# Altium PCB ToF Sensor.PcbDoc
Units mm, origin at the board's own origin, x right, y up, seen from the top; angles counter-clockwise.
Board outline 30 x 50.01 mm, 4 copper layers (Top Layer, Int1 (GND), Int2 (PWR), Bottom Layer), stack 1.369 mm thick; 48 components, 38 nets, 218 pads, 90 vias.
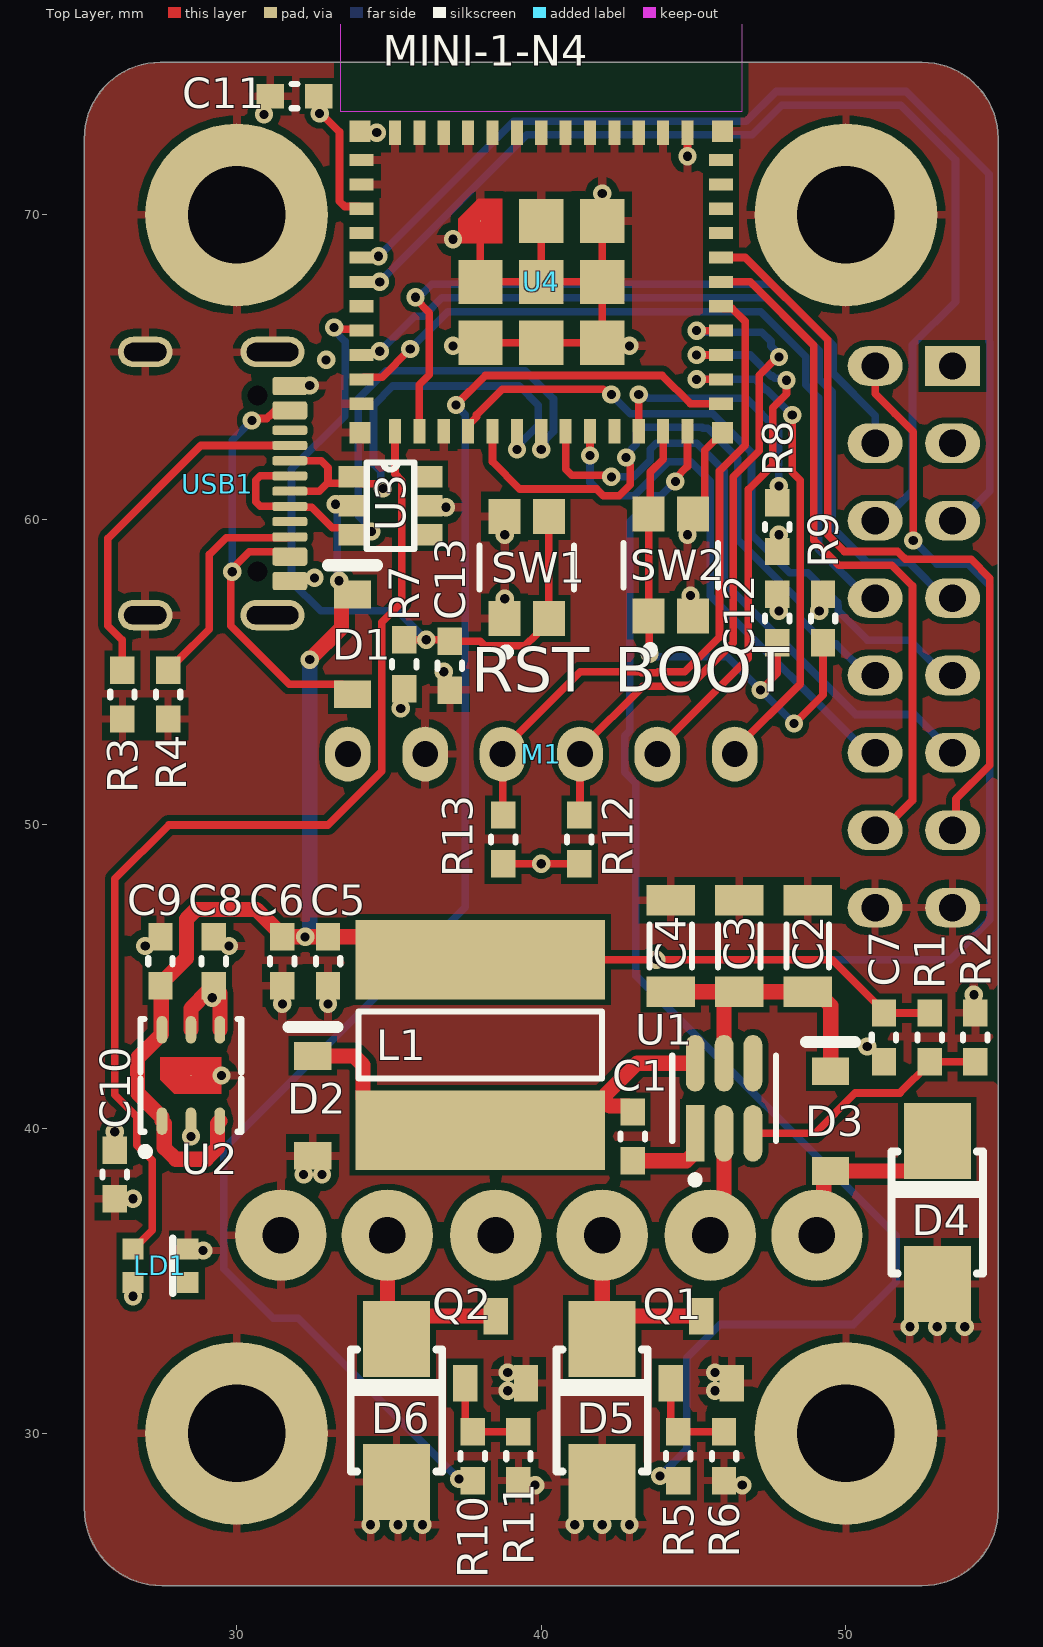
[diagram p0: Top Layer view]
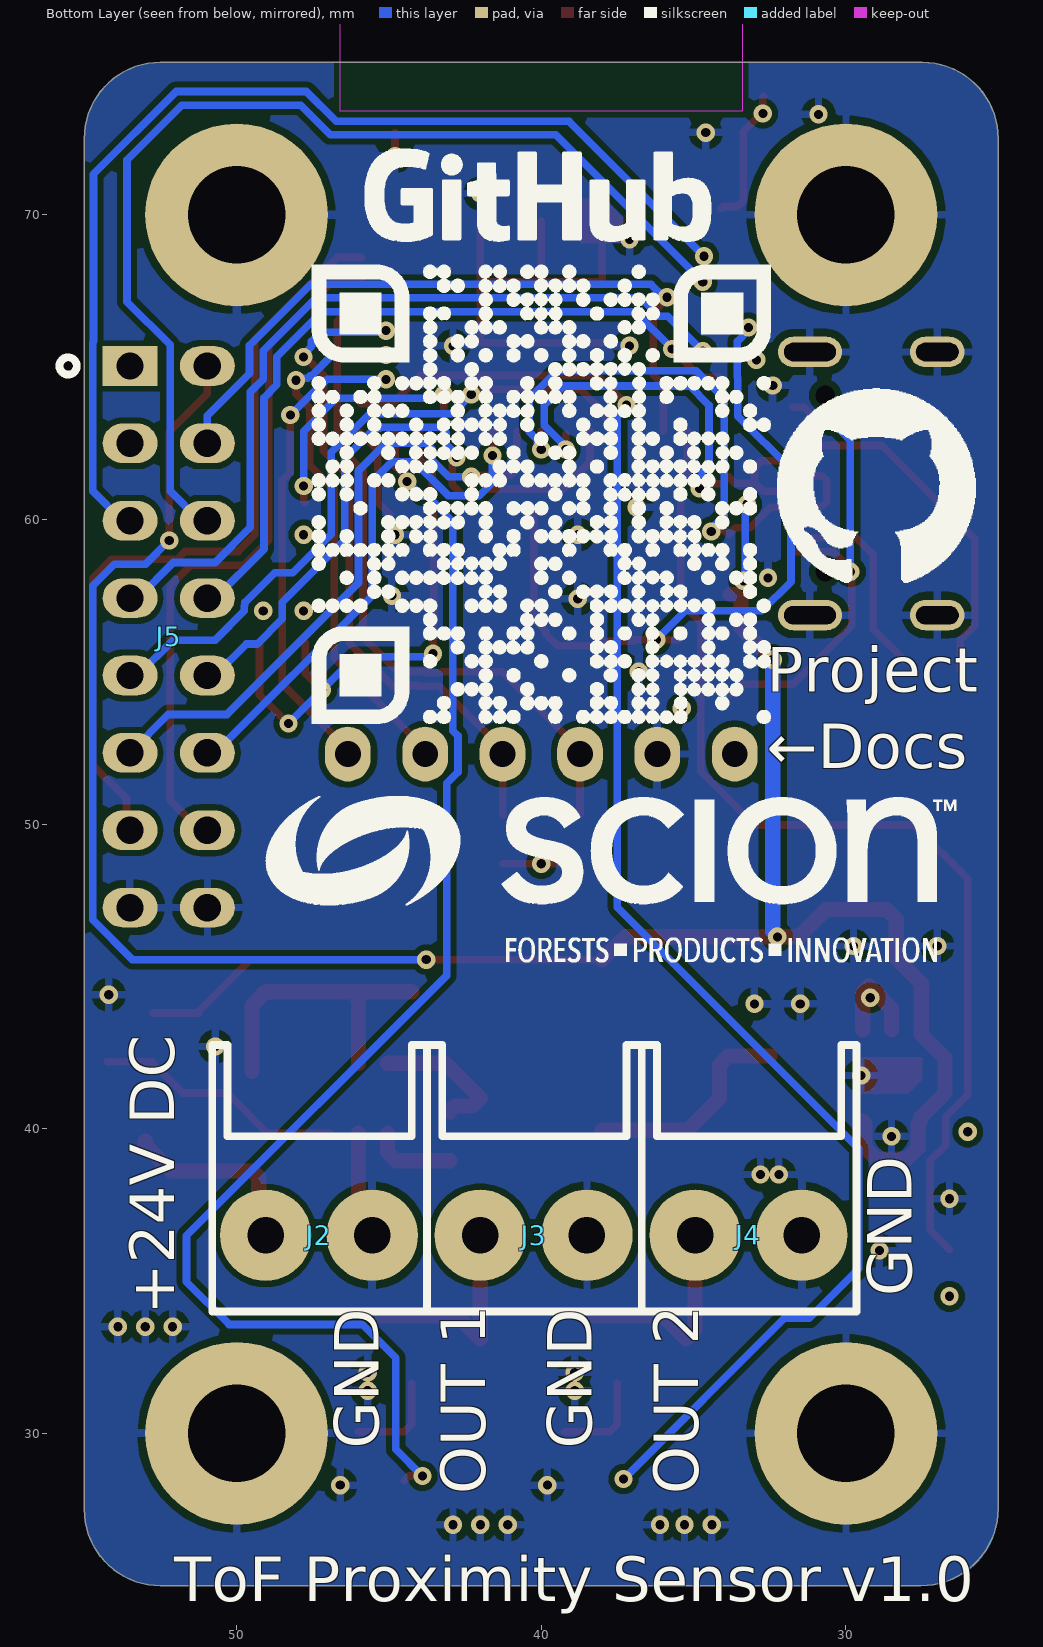
[diagram p1: Bottom Layer view, seen from below]
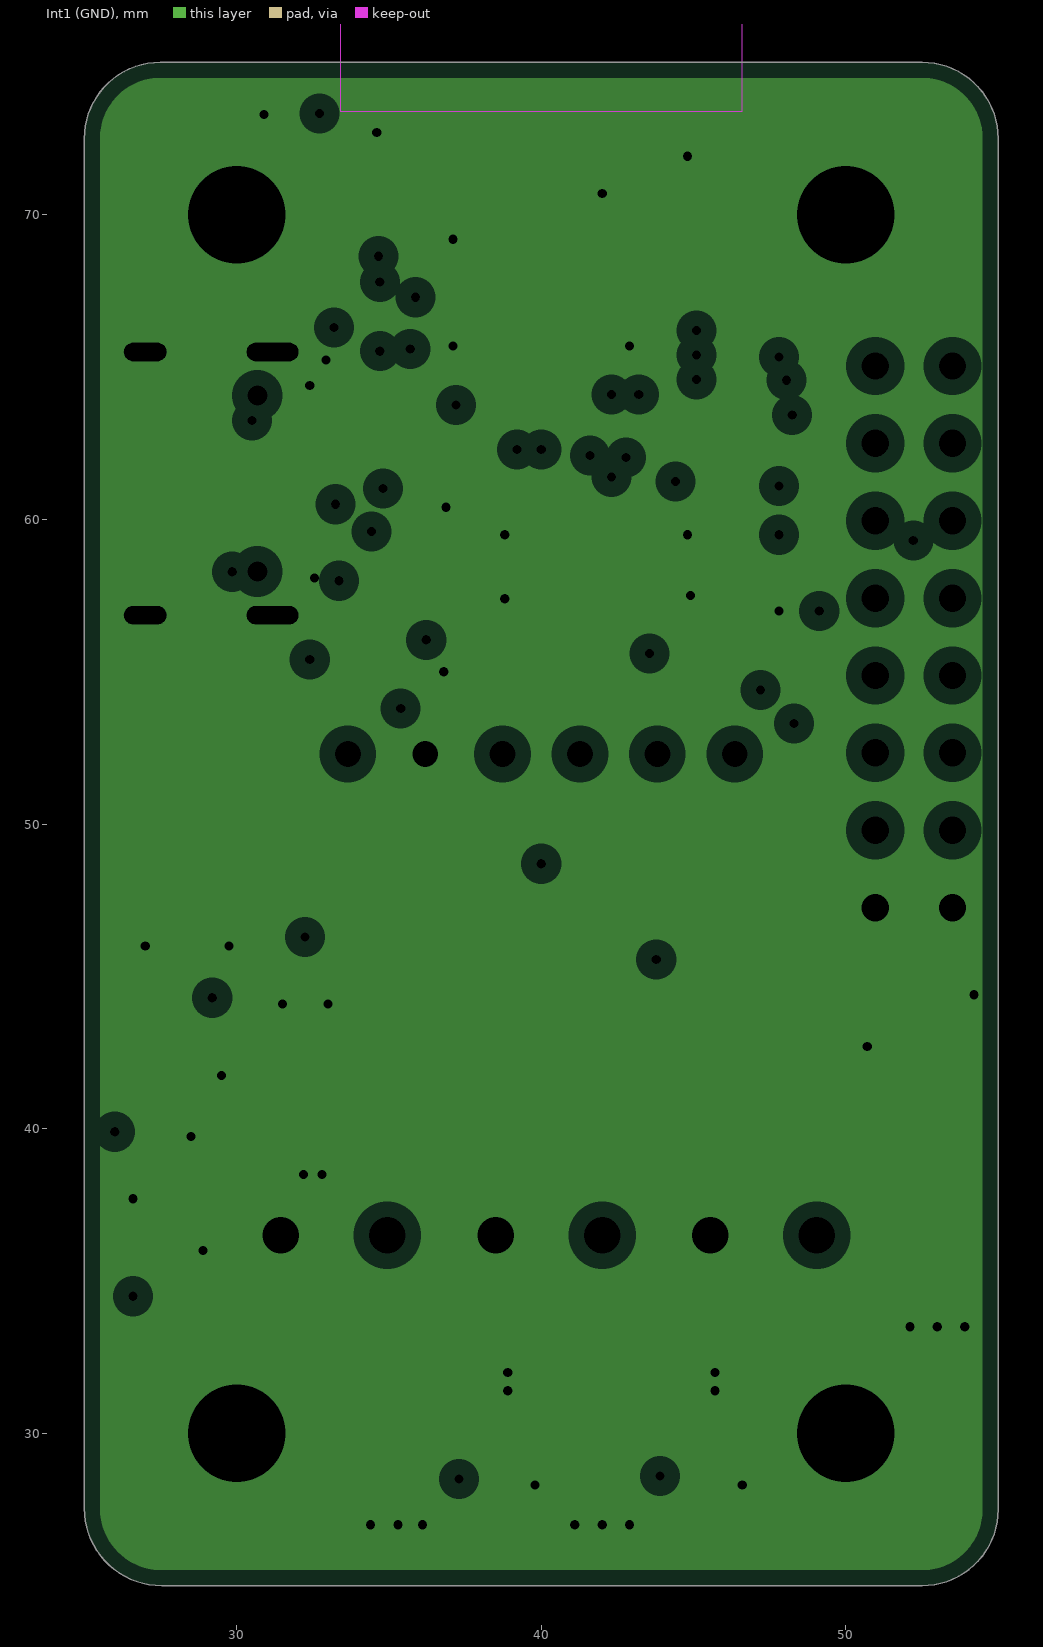
[diagram p2: Int1 (GND), clearances drawn from the general rule]
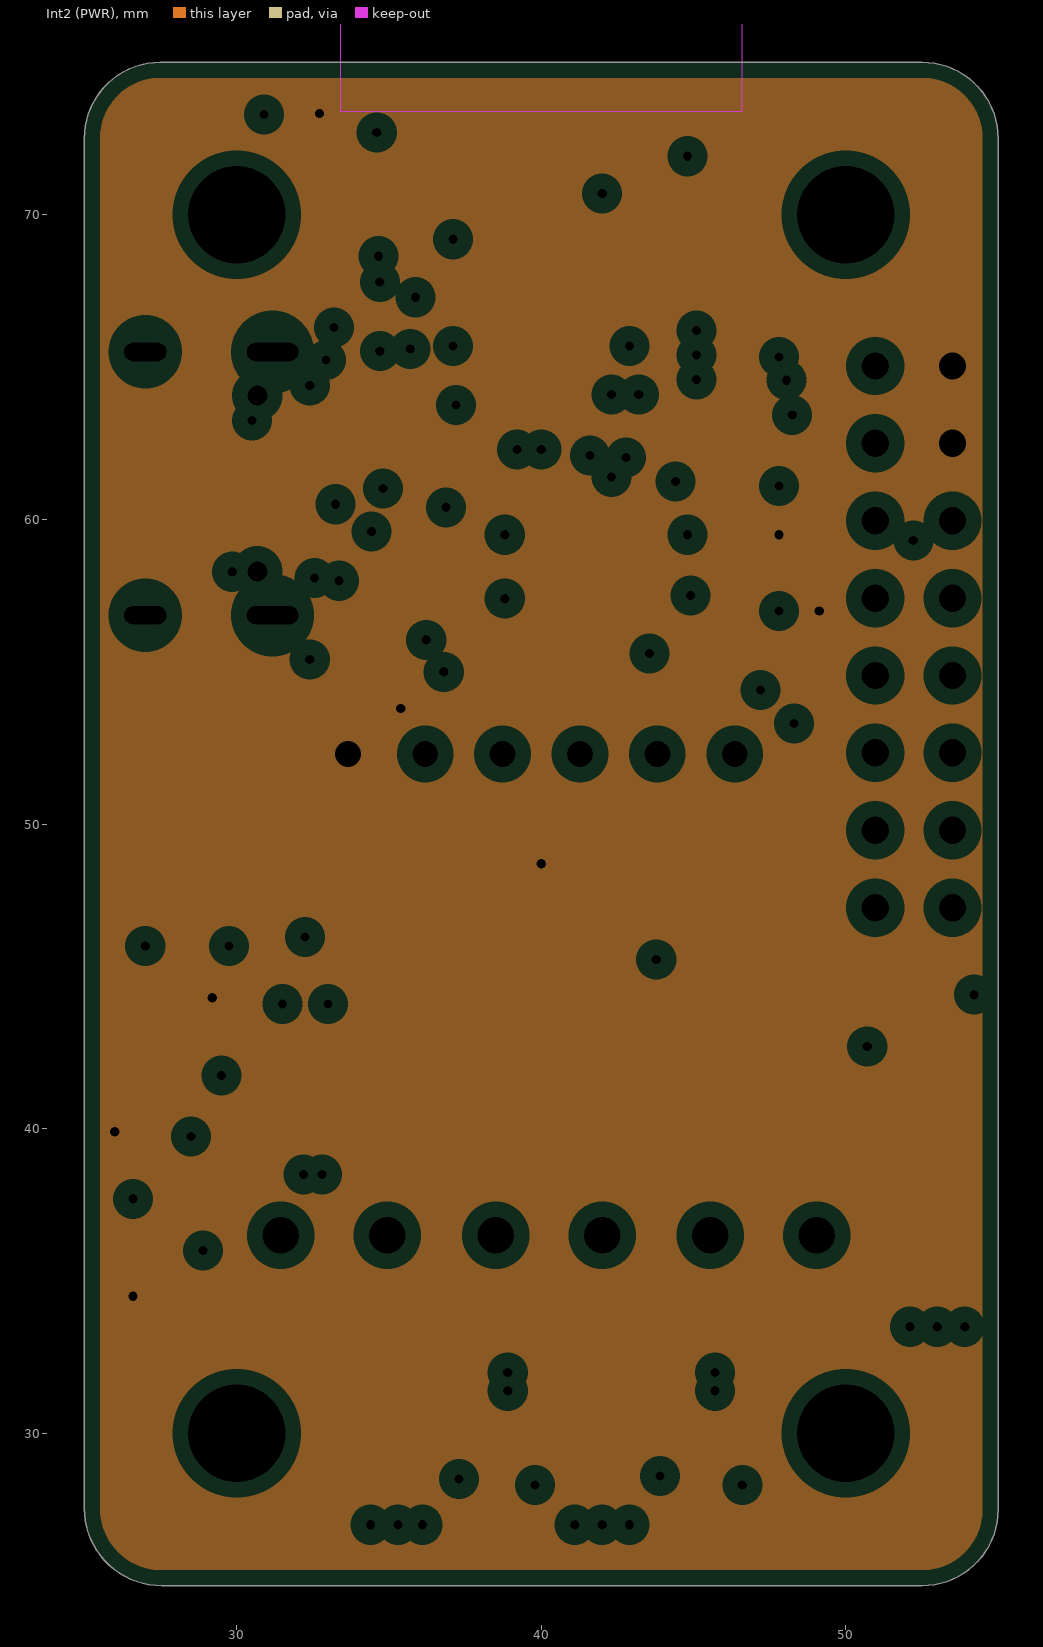
[diagram p3: Int2 (PWR), clearances drawn from the general rule]
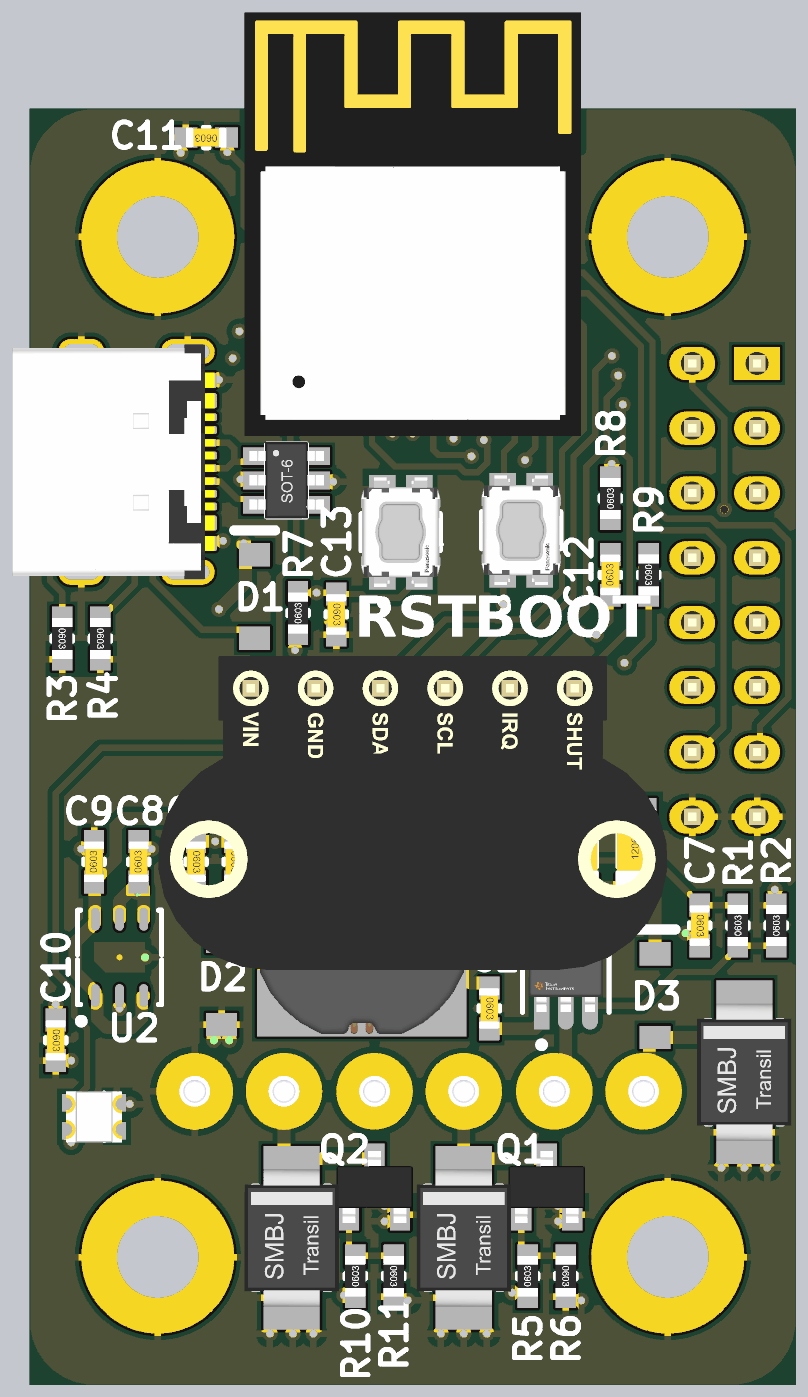
[diagram p4: 3D render of the assembled board from above, using the file's embedded part models]
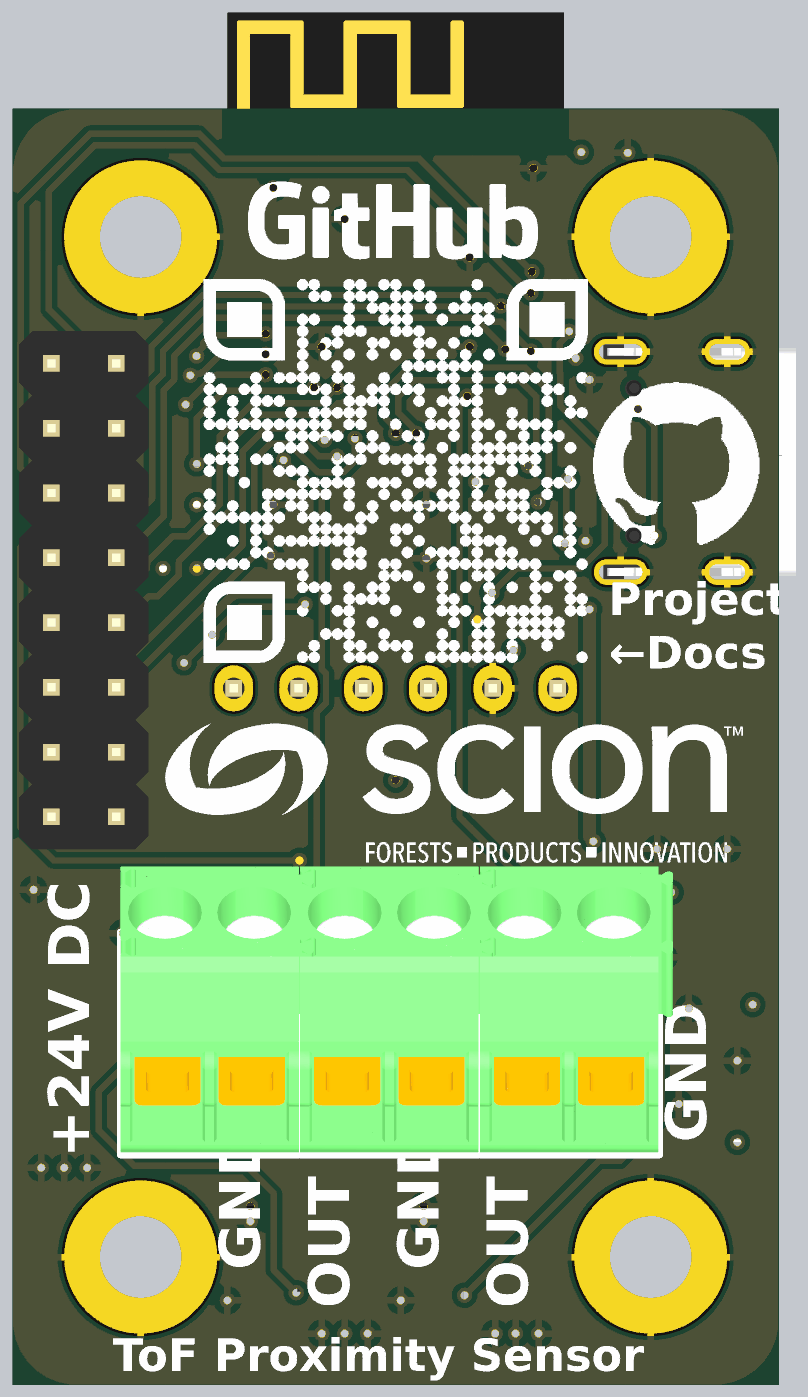
[diagram p5: 3D render of the assembled board from below, using the file's embedded part models]

## Layer stack, top to bottom
Top Solder: solder mask 0.0254, SM-001, Dk 4
Top Layer: signal copper 0.035
Dielectric 1: prepreg 0.1295, PP-017, Dk 4.3
Dielectric 2: prepreg 0.1295, PP-017, Dk 4.3
Int1 (GND): plane copper 0.035, net GND
Dielectric 3: core 0.7112, Core-039, Dk 4.8
Int2 (PWR): plane copper 0.035, net +3V3
Dielectric 4: prepreg 0.1295, PP-017, Dk 4.3
Dielectric 5: prepreg 0.1295, PP-017, Dk 4.3
Bottom Layer: signal copper 0.035
Bottom Solder: solder mask 0.0254, SM-001, Dk 4

## Board outline
55,27.5 cw(c52.5,27.5) 52.5,25 27.54,25 cw(c27.54,27.54) 25,27.54 25,72.508 cw(c27.496,72.511) 27.492,75.008 52.5,75.008 cw(c52.502,72.51) 55,72.508

## Design rules (kind name [scope] priority, off if disabled: settings)
Clearance [All] p1: gap=0.2 ignorepadtopadclearanceinfootprint=FALSE except(0.15: SMDPad-Hole)
DiffPairsRouting [All] p1: maxlimit=0.254 minlimit=0.25 mostfreqgap=0.25 toplayer_minwidth=0.25 toplayer_maxwidth=0.381 toplayer_prefwidth=0.25 bottomlayer_minwidth=0.25 bottomlayer_maxwidth=0.381 bottomlayer_prefwidth=0.25 maxuncoupledlength=12.7
HoleSize [All] p1: absolutevalues=TRUE maxlimit=5 minlimit=0.3 maxpercent=80.000 minpercent=20.000
PlaneClearance [All] p1: clearance=0.508
PlaneConnect [All] p1: planeconnectstyle=Relief reliefexpansion=0.508 reliefentries=4 reliefconductorwidth=0.254 reliefairgap=0.254
PolygonConnect [All] p1: connectstyle=Relief reliefconductorwidth=0.254 reliefentries=4 polygonreliefangle="90 Angle" airgapwidth=0.254
RoutingVias [All] p1: holewidth=0.3 width=0.6 viastyle="Through Hole" minholewidth=0.3 minwidth=0.6 maxholewidth=0.711 maxwidth=1.27
SolderMaskExpansion [InPadClass('All Pads')] p1: expansion=0.102 istentingtop=FALSE
SolderMaskExpansion SolderMaskExpansion_via [All] p2: expansion=0.102 istentingtop=TRUE
SupplyNets "Schematic Supply Nets_5" [InNet('+24V')] p1: voltage=0.000
SupplyNets "Schematic Supply Nets_4" [InNet('GND')] p2: voltage=0.000
SupplyNets "Schematic Supply Nets_3" [InNet('+3V3')] p3: voltage=0.000
SupplyNets "Schematic Supply Nets_2" [InNet('VIN')] p4: voltage=0.000
SupplyNets "Schematic Supply Nets_1" [InNet('+5V')] p5: voltage=0.000
SupplyNets "Schematic Supply Nets" [InNet('VBUS_ESP')] p6: voltage=0.000
Width [All] p1: maxlimit=1 minlimit=0.2 preferedwidth=0.25
26 further rules are at their usual default settings.

## Classes and differential pairs
differential pair ESP_USB_D: +ESP_USB_D_P -ESP_USB_D_N

## Components (designator, comment, footprint, x,y, rotation, side; value= is the part's Value field where it differs from the comment)
C1 "Capacitor" 0603_CAP 43,39.75 r270 top value=100nF
C2 "Capacitor" 1206_CAP 48.75,46 r90 top value=22µF
C3 "Capacitor" 1206_CAP 46.5,46 r90 top value=22µF
C4 "Capacitor" 1206_CAP 44.25,46 r90 top value=22µF
C5 "Capacitor" 0603_CAP 33,45.5 r270 top value=10µF
C6 "Capacitor" 0603_CAP 31.5,45.5 r270 top value=10µF
C7 "Capacitor" 0603_CAP 51.25,43 r270 top value=100nF
C8 "Capacitor" 0603_CAP 29.25,45.5 r90 top value=10µF
C9 "Capacitor" 0603_CAP 27.5,45.5 r90 top value=10µF
C10 "Capacitor" 0603_CAP 26,38.5 r270 top value=10µF
C11 "Capacitor" 0603_CAP 31.9,73.9 r180 top value=10µF
C12 "Capacitor" 0603_CAP 47.75,56.75 r90 top value=100nF
C13 "Capacitor" 0603_CAP 37,55.2 r270 top value=100nF
D1 "Diode" SOD-123 33.8,55.9 r90 top
D2 "Diode" SOD-123 32.5,40.75 r90 top
D3 "Diode" SOD-123 49.5,40.25 r90 top
D4 "Transil" SMBJ 53,37.25 r90 top
D5 "Transil" SMBJ 42,30.75 r90 top
D6 "Transil" SMBJ 35.25,30.75 r90 top
J2 "VIN" "2P 3.5mm Phoenix screw terminal 1988972" 49.05,36.5 r180 bottom
J3 "Out 1" "2P 3.5mm Phoenix screw terminal 1988972" 42,36.5 r180 bottom locked
J4 "Out 2" "2P 3.5mm Phoenix screw terminal 1988972" 34.95,36.5 r180 bottom
J5 "GPIO Exp" DIP16 52.23,56.15 r180 bottom
L1 "Inductor" BOUR-SRN8040_V 38,42.75 r90 top value=22µH
LD1 "WS2812B" WS2812B-2020 27.5,35.5 r0 top
M1 "VL53LXX" VL53LXX-Footprint-1 46.35,52.3 r180 top locked
Q1 "NMOS" SOT-23 45.25,32.75 r0 top
Q2 "NMOS" SOT-23 38.5,32.75 r0 top
R1 "Resistor" 0603_RES 52.75,43 r90 top value=100k
R2 "Resistor" 0603_RES 54.25,43 r90 top value=18k
R3 "Resistor" 0603_RES 26.25,54.25 r270 top value=5k1
R4 "Resistor" 0603_RES 27.75,54.25 r270 top value=5k1
R5 "Resistor" 0603_RES 44.5,29.25 r90 top value=100R
R6 "Resistor" 0603_RES 46,29.25 r270 top value=100k
R7 "Resistor" 0603_RES 35.5,55.25 r90 top value=10k
R8 "Resistor" 0603_RES 47.75,59.75 r90 top value=2k2
R9 "Resistor" 0603_RES 49.25,56.75 r270 top value=10k
R10 "Resistor" 0603_RES 37.75,29.25 r90 top value=100R
R11 "Resistor" 0603_RES 39.25,29.25 r270 top value=100k
R12 "Resistor" 0603_RES 41.25,49.5 r90 top value=2k2
R13 "Resistor" 0603_RES 38.75,49.5 r90 top value=2k2
SW1 "EVP-AAN02Q" FP-EVP-AAN02Q-MFG 39.525,58.425 r90 top
SW2 "EVP-AAN02Q" FP-EVP-AAN02Q-MFG 44.25,58.5 r90 top
U1 "LMR14010ADDCR" FP-DDC0006A-IPC_A 46,41 r90 top
U2 "NCP606MN33T2G" QFN95P330X295X100_HS-7N 28.5,41.75 r90 top
U3 "NUP4304MR6" TSOP-6 35.05,60.45 r0 top
U4 "ESP32-C6-MINI-1-N4" ESP32-C6-MINI-1-N4-Footprint-1 34.1,71.8 r0 top locked
USB1 "USB C" GT-USB-7010ASV 31.745,64.38 r270 top

## Footprints (in the part's own frame and the unit in brackets; to place one, negate y for a bottom-side part, rotate by r counter-clockwise, add the part's x,y. Pads: shape width x height; smd on the part's side, far side on the other; paste and mask are expansions set on the pad)
"2P 3.5mm Phoenix screw terminal 1988972" [mm]
  round 3 hole 1.2 mask+0.01: 1(0,0) 2(3.5,0)
  silkscreen extent -1.75,-2.5 5.3,6.25, body extent -1.75,-2.4 5.82,8.81, height 9.94
0603_CAP [mm] "SMD Capacitor 0603"
  rect 0.9x0.8 smd: 1(-0.8,0) 2(0.8,0)
  silkscreen extent -0.1,-0.4 0.1,0.4, body extent -0.8,-0.4 0.8,0.4, height 0.8
0603_RES [mm] "SMD Resistor 0603"
  rect 0.9x0.8 smd: 1(-0.8,0) 2(0.8,0)
  silkscreen extent -0.1,-0.4 0.1,0.4, body extent -0.8,-0.4 0.8,0.4, height 0.45
1206_CAP [mm] "SMD Capacitor 1206"
  rect 1x1.6 smd: 1(-1.5,0) 2(1.5,0)
  silkscreen extent -0.7,-0.7 0.7,0.7, body extent -1.6,-0.8 1.6,0.8, height 1.6
BOUR-SRN8040_V [mm] "SMD, 2-Leads, Body 8x8mm"
  rect 2.6x8.2 smd: 1(-2.8,0) 2(2.8,0)
  silkscreen extent -1.1,-4 1.1,4, body extent -4.01,-4 4.01,4, height 4
DIP16 [mm]
  rect 1.8x1.3 hole 0.9: 1(-1.27,8.89)
  oval 1.8x1.3 hole 0.9: 2(1.27,8.89) 3(-1.27,6.35) 4(1.27,6.35) 5(-1.27,3.81) 6(1.27,3.81) 7(-1.27,1.27) 8(1.27,1.27) 9(-1.27,-1.27) 10(1.27,-1.27) 11(-1.27,-3.81) 12(1.27,-3.81) 13(-1.27,-6.35) 14(1.27,-6.35) 15(-1.27,-8.89) 16(1.27,-8.89)
  silkscreen extent -3.59,8.61 -3.02,9.17, body extent -2.54,-10.16 2.54,10.16, height 8.5
ESP32-C6-MINI-1-N4-Footprint-1 [mm]
  rect 0.8x0.4 smd: 1(0,0) 2(0,-0.8) 3(0,-1.6) 4(0,-2.4) 5(0,-3.2) 6(0,-4) 7(0,-4.8) 8(0,-5.6) 9(0,-6.4) 10(0,-7.2) 11(0,-8) 25(11.8,-8) 26(11.8,-7.2) 27(11.8,-6.4) 28(11.8,-5.6) 29(11.8,-4.8) 30(11.8,-4) 31(11.8,-3.2) 32(11.8,-2.4) 33(11.8,-1.6) 34(11.8,-0.8) 35(11.8,0)
  rect 0.4x0.8 smd: 12(1.1,-8.9) 13(1.9,-8.9) 14(2.7,-8.9) 15(3.5,-8.9) 16(4.3,-8.9) 17(5.1,-8.9) 18(5.9,-8.9) 19(6.7,-8.9) 20(7.5,-8.9) 21(8.3,-8.9) 22(9.1,-8.9) 23(9.9,-8.9) 24(10.7,-8.9) 36(10.7,0.9) 37(9.9,0.9) 38(9.1,0.9) 39(8.3,0.9) 40(7.5,0.9) 41(6.7,0.9) 42(5.9,0.9) 43(5.1,0.9) 44(4.3,0.9) 45(3.5,0.9) 46(2.7,0.9) 47(1.9,0.9) 48(1.1,0.9)
  rect 1.45x1.45 smd: 49(3.9,-6) 49(3.9,-4) 49(5.9,-6) 49(5.9,-4) 49(5.9,-2) 49(7.9,-6) 49(7.9,-4) 49(7.9,-2)
  round 0.025 smd: 49(3.9,-2)
  rect 0.7x0.7 smd: 50(11.85,0.95) 51(11.85,-8.95) 52(-0.05,-8.95) 53(-0.05,0.95)
  Top Layer region: 3.175,-2.725 3.175,-1.925 3.825,-1.275 4.625,-1.275 4.625,-2.725
  Keep-Out Layer region: -0.7,1.6 12.5,1.6 12.5,7 -0.7,7
  body extent -0.7,-9.6 12.5,7, height 2.46
FP-DDC0006A-IPC_A [mm]
  rect 1.854x0.612 smd paste+0 mask+0: 1(-1.15,0.95)
  rrect100% 1.854x0.612 smd paste+0 mask+0: 2(-1.15,0) 3(-1.15,-0.95) 4(1.15,-0.95) 5(1.15,0) 6(1.15,0.95)
  silkscreen extent -2.8,-1.7 1.4,1.7, body extent -2.58,-1.95 2.58,1.95, height 0.25
FP-EVP-AAN02Q-MFG [mm]
  rect 1.15x1.05 smd paste+0 mask+0: 1(-1.675,0.725) 1(1.675,0.725) 2(-1.675,-0.725) 2(1.675,-0.725)
  silkscreen extent -2.9,-1.55 0.73,1.55, body extent -2.35,-1.65 2.35,1.65, height 0.25
GT-USB-7010ASV [mm]
  rrect50% 0.4x1.15 smd: A1(-0.1,0) A4(0.7,0) A9(5.5,0) A12(6.3,0) B1(6.5,0) B4(5.7,0) B9(0.9,0) B12(0.1,0)
  rrect50% 0.3x1.15 smd: A5(1.95,0) A6(2.95,0) A7(3.45,0) A8(4.45,0) B5(4.95,0) B6(3.95,0) B7(2.45,0) B8(1.45,0)
  oval 1x2.1 hole 0.6 slot 1.7 at 90 deg paste+0: EXT_SHLD(-1.12,-0.565) EXT_SHLD(7.52,-0.565)
  oval 1x1.8 hole 0.6 slot 1.4 at 90 deg paste+0: EXT_SHLD(-1.12,-4.745) EXT_SHLD(7.52,-4.745)
  round 0 hole 0.65 unplated: ""(0.31,-1.065) ""(6.09,-1.065)
  body extent -1.4,-7.45 7.8,0.5, height 3.21
QFN95P330X295X100_HS-7N [mm] "QFN, 6-Leads, Body 3.30x2.95mm, Pitch 0.95mm, Thermal Pad 1.20x2.00mm, IPC Medium Density"
  oval 0.9x0.35 smd: 1(-1.5,0.95) 2(-1.5,0) 3(-1.5,-0.95) 4(1.5,-0.95) 5(1.5,0) 6(1.5,0.95)
  round 0.025 smd: PAD(0,0)
  Top Layer region: -0.6,-1 0.6,-1 0.6,1 -0.143,1 -0.6,0.543
  silkscreen extent -2.62,-1.65 1.85,1.65, body extent -1.7,-1.5 1.7,1.5, height 1
SMBJ [mm] "Transil"
  rect 2.5x2.2 smd: 1(-2.35,0) 2(2.35,0)
  silkscreen extent -2,-1.5 2,1.5, body extent -2.7,-1.85 2.7,1.85, height 2.2
SOD-123 [mil] "SOD123, 2-Leads, Body 2.7x1.6mm, Height 1.35mm"
  rect 35.98x47.99 smd: 1(64.5,0) 2(-64.5,0)
  silkscreen extent 102,-31 102,31, body extent -53,-31 53,31, height 53
SOT-23 [mm]
  rect 0.8x1.2 smd: 1(-1,-1.1) 2(0,1.1) 3(1,-1.1)
  body extent -1.5,-1.42 1.5,1.42, height 1.2
TSOP-6 [mm] "TSOP-6 for NUP4304MR6"
  rect 1x0.7 smd: 1(-1.2,0.95) 2(-1.2,0) 3(-1.2,-0.95) 4(1.2,-0.95) 5(1.2,0) 6(1.2,0.95)
  silkscreen extent -0.78,-1.43 0.78,1.43, body extent -1.46,-1.49 1.46,1.51, height 1
VL53LXX-Footprint-1 [mm]
  oval 1.5x1.8 hole 0.85: 1(12.7,0) 2(10.16,0) 3(7.62,0) 4(5.08,0) 5(2.54,0) 6(0,0)
  body extent -3.64,-1.27 16.34,11.05, height 14.52
WS2812B-2020 [mm]
  rect 0.7x0.7 smd mask+0.01: 1(-0.9,-0.55) 2(0.9,-0.55) 3(0.9,0.55) 4(-0.9,0.55)
  silkscreen extent 0.4,-0.9 0.4,0.9, body extent -1.1,-1 1.1,1, height 0.86

## Part data
C1 C2 C3 C4 C5 C6 C7 C8 C9 C10 C11 C12 C13: library part CMP-001-00172-2, "SMD Capacitor", Component Type=Standard, Design Item ID=Capacitor, Pins=2, Source=Discrete.SchLib
D1 D2 D3: library part CMP-004-00083-4, "SMD Diode", Component Type=Standard, Design Item ID=Diode, Pin Count=2, Pins=2, Source=Discrete.SchLib
D4 D5 D6: library part CMP-079-000108-2, "Transient Voltage Suppressor", Breakdown Voltage=33V, Component Type=Standard, Design Item ID=Transil, Pin Count=2, Source=Discrete.SchLib
J2 J3 J4: library part CMP-002-00173-4, "2 Pin Connector", Component Type=Standard, Design Item ID=2_Pin, Pin Count=2, Pins=2, Source=Connectors.SchLib
J5: library part CMP-002-00172-3, "16 Pin Connector", Component Type=Standard, Design Item ID=16_Pin, Pin Count=16, Pins=16, Source=Connectors.SchLib
L1: library part CMP-006-00052-2, "Power Inductor", Current Rating=2.2A, Component Type=Standard, DCR=100mR, Design Item ID=Inductor, Pin Count=2, Pins=2, Source=Discrete.SchLib
LD1: library part CMP-079-000113-2, "Intelligent Control LED Integrated Light Source, 3.5 to 5.3 V, -25 to 80 degC, 4-Pin SMD, RoHS, Bulk", Manufacturer="Adafruit Industries", Package Description="4-Pin Surface Mount Device, Body 5 x 5 mm, Pitch 3.3 mm", Case/Package=WS2812B, Component Type=Standard, Datasheet URL=https://cdn-shop.adafruit.com/datasheets/WS2812B.pdf, Datasheet Version=May-13, Design Item ID=CMP-007-00035-3, Manufacturer URL=https://www.adafruit.com/, Mounting Technology=SM, Package Reference=WS2812B, Pin Count=4, RoHS Compliant=False, Source="All Components - 30.06.23 - 18.27.SchLib"
M1: library part CMP-00026-00003-1, "ST ToF sensor"
Q1 Q2: library part CMP-079-000093-2, "N Channel MOSFET", Component Type=Standard, Design Item ID=NMOS, Pin Count=3, Source=N-MOS.SchLib
R1 R2 R3 R4 R5 R6 R7 R8 R9 R10 R11 R12 R13: library part CMP-009-00356-1, "SMD Resistor", Component Type=Standard, Design Item ID=Resistor, Pins=2, Source=Discrete.SchLib
SW1 SW2: library part CMP-011-00000-2, "Switch Tactile N.O. SPST Rectangular Button J-Bend 0.02A 15VDC 100000Cycles 5N SMD T/R"
U1: library part CMP-079-000005-5, "7-40VDC-DC buck converter", Case/Package=SOT-23-6, Max Input Voltage=40V, Max Operating Temperature=125°C, Min Input Voltage=4V, Min Operating Temperature=-40°C, Min Output Voltage=765mV, Output Current=1A, Switching Frequency=850kHz, Component Type=Standard, Design Item ID=CMP-00007-1, Features=UVLO, Max Output Voltage=40V, Mount="Surface Mount", Number of Outputs=1, Output Configuration=Positive, Output Type=Adjustable, Packaging="Cut Tape", Pin Count=6, Source="All Components - 30.06.23 - 18.27.SchLib", Synchronous Rectifier=No
U2: library part CMP-019-00001-1, "Fixed Positive LDO Regulator, 3.3V, 0.22V Dropout, CMOS", Case/Package=HVSON, Max Supply Voltage=6V, Pins=6, RoHS Compliant=Yes
U3: library part CMP-079-000096-2, "ESD Protection Doide Array", Component Type=Standard, Design Item ID=NUP4304MR6, Pin Count=6, Source="ON Semi.SchLib"
U4: library part CMP-00025-00001-2
USB1: library part CMP-079-000004-4, "Vertical or RA Type C Usb Connector Rohs Compliant: Yes", Component Type=Standard, Design Item ID=CMP-00005-5, Pin Count=26, Source="All Components - 30.06.23 - 18.27.SchLib"

## Free pads (board coordinates)
  round 6 hole 3.2: ""(30,30) ""(30,70) ""(50,30) ""(50,70)

## Via types
v1: diameter 0.6, hole 0.3, Top Layer to Bottom Layer, tented both sides, 90 vias

## Nets (pads, with @x,y where several pads share a name; then routed paths per layer and width w, separated by ;. In a path a pad name is that pad's centre, name@x,y a point inside that pad or via, vN(x,y) a via of type N, cw(c..) or ccw(c..) an arc to the next point about the centre after c; other vN are vias at no path point)
+3V3: C8.1 C10.1 C11.1 J5.1 J5.3 LD1.1 M1.1 R7.1 R8.1 R9.1 R12.1 R13.1 U2.4 U2.5 U4.3 | length 10.4
  Top Layer w0.25: C11.1 32.725,73.875 v1(32.725,73.325) 32.775,73.325 33.375,72.725 33.375,70.446 33.546,70.275 34.025,70.275 U4.3 ; R13.1 R12.1
  Top Layer w0.5: U2.5 28.5,43.95 29.05,44.5 29.1,44.5 C8.1@29.25,44.65 ; C8.1 C8.1@29.25,44.65 ; U2.4 29.45,44.45 C8.1@29.25,44.65
  other v1: 26.6,34.5 26,39.9 29.2,44.3 40,48.7 35.385,53.8 49.125,57 47.8,59.5
+5V: C5.1 C6.1 C7.1 C9.1 D1.1 J5.2 L1.2 R1.2 U2.1 U2.3 U2.6 U3.2 | length 83.8
  Top Layer w0.25: L1.2 v1(43.775,45.55) 49.55,45.55 51.25,43.85 C7.1 R1.2 ; J5.2 50.96,64.129 51.614,63.475 52.214,62.875 v1(52.214,59.314)
  Top Layer w0.5: C9.1 27.525,44.675 27.525,43.1 26.75,42.325 26.75,41.175 27.55,40.375 U2.1 27.625,40.175 27.625,39.375 28,39 29,39 29.375,39.375 29.375,40.175 U2.3 ; C9.1@27.5,44.75 28.35,45.6 28.35,46.886 28.664,47.2 30.65,47.2 31.5,46.35 C6.1 v1(32.25,46.3) C5.1 37.25,46.3 L1.2 ; v1(32.4,55.4) 33.44,56.44 33.44,57.331 33.648,57.538 D1.1
  Bottom Layer w0.25: v1(33.25,60.5) 33.308,60.442 33.308,58.046 v1(33.366,57.988) ; v1(43.775,45.55) 53.419,45.55 54.725,46.856 54.725,57.824 54.014,58.535 52.992,58.535 v1(52.214,59.314)
  Bottom Layer w0.5: v1(32.25,46.3) 32.25,46.327 32.4,46.477 v1(32.4,55.4)
+24V: C2.1 C3.1 C4.1 D3.1 U1.5 | length 10.3
  Top Layer w0.5: C4.1 C3.1 ; U1.5 46,44.25 46.25,44.5 C3.1 ; D3.1 49.5,44.05 49.05,44.5 C2.1 C3.1
ESP_IO_0: LD1.4 U4.12 | length 34.7
  Top Layer w0.25: LD1.4 27.225,36.675 27.225,38.962 26.725,39.462 26.725,40.387 26,41.112 26,48.2 27.77,49.97 32.99,49.97 34.76,51.74 34.76,56.62 35.425,57.285 35.425,61.277 35.2,61.502 U4.12
ESP_IO_1: J5.4 U4.13 | length 23.2
  Top Layer w0.25: v1(35.875,67.295) 35.875,67.241 36.325,66.791 36.325,64.754 36,64.429 U4.13
  Bottom Layer w0.25: v1(35.875,67.295) 35.97,67.295 36.399,67.725 47.573,67.725 49.577,65.721 49.577,64.794 50.96,63.411 J5.4
ESP_IO_2: J5.5 U4.5 | length 35.4
  Bottom Layer w0.25: v1(34.658,68.642) 39.091,73.075 46.735,73.075 47.71,74.05 51.986,74.05 54.7,71.336 54.7,65.85 54.725,65.825 54.725,60.935 53.75,59.96 J5.5
ESP_IO_3: J5.6 U4.6 | length 35.1
  Bottom Layer w0.25: v1(34.7,67.8) 39.525,72.625 46.921,72.625 47.896,73.6 51.8,73.6 53.6,71.8 53.6,67.15 52.185,65.735 52.185,60.935 51.21,59.96 J5.6
ESP_IO_4: J5.7 U4.9 | length 26.8
  Bottom Layer w0.25: v1(34.7,65.525) 35.845,66.67 36.134,66.67 36.739,67.275 47.386,67.275 49.127,65.534 49.127,64.608 49.55,64.185 49.55,59.741 50.703,58.589 52.081,58.589 53.25,57.42 J5.7
ESP_IO_5: J5.8 U4.10 | length 25.1
  Top Layer w0.25: U4.10 34.175,64.675 34.775,64.675 v1(35.7,65.6)
  Bottom Layer w0.25: v1(35.7,65.6) 36.925,66.825 47.2,66.825 48.677,65.348 48.677,64.421 49.1,63.998 49.1,59.03 50.71,57.42 J5.8
ESP_IO_6: J5.9 U4.15 | length 22.2
  Top Layer w0.25: U4.15 37.6,63.1 37.875,63.375 37.875,63.435 38.715,64.275 42.03,64.275 42.205,64.1 v1(42.3,64.1)
  Bottom Layer w0.25: v1(42.3,64.1) 42.925,63.475 45.625,63.475 46.9,62.2 46.9,59.516 48.159,58.257 48.751,58.257 49.735,57.274 49.735,57.187 49.75,57.172 49.75,57.001 50.71,56.041 52.089,56.041 53.25,54.88 J5.9
ESP_IO_7: J5.10 U4.16 | length 21.2
  Top Layer w0.25: U4.16 38.4,61.9 39.3,61 41.816,61 42.041,60.775 42.559,60.775 42.925,61.141 42.925,61.775 42.853,61.847 42.853,61.969 v1(42.786,62.036)
  Bottom Layer w0.25: v1(42.786,62.036) 42.786,62.13 43.123,62.468 43.123,62.848 43.3,63.025 45.275,63.025 45.3,63 45.464,63 46.45,62.014 46.45,59.33 48.5,57.28 48.5,56.741 49.33,55.911 49.679,55.911 50.71,54.88 J5.10
ESP_IO_8: R8.2 U4.22 | length 8.7
  Top Layer w0.25: U4.22 v1(43.2,64.1) ; R8.2 47.8,60.6 v1(47.8,61.1)
  Bottom Layer w0.25: v1(43.2,64.1) 43.267,64.033 43.463,64.033 43.521,63.975 46.725,63.975 47.8,62.9 v1(47.8,61.1)
ESP_IO_9: C12.1 R9.2 SW2.1 U4.23 | length 18
  Top Layer w0.25: v1(43.551,55.596) 43.551,56.799 43.525,56.825 43.525,60.175 43.575,60.225 43.575,61.559 44,61.984 U4.23 ; v1(47.2,54.4) 47.75,54.95 C12.1 ; v1(48.3,53.3) 49.25,54.25 R9.2
  Bottom Layer w0.25: v1(43.551,55.596) 43.648,55.5 46.1,55.5 v1(48.3,53.3)
ESP_IO_14: J5.11 U4.19 | length 21.1
  Top Layer w0.25: U4.19 40.8,61.65 41,61.45 42.25,61.45 v1(42.3,61.4)
  Bottom Layer w0.25: v1(42.3,61.4) 43.034,61.4 43.573,61.939 43.573,62.302 43.771,62.5 45.1,62.5 46,61.6 46,57.916 50.316,53.6 52.24,53.6 J5.11
ESP_IO_15: J5.12 U4.20 | length 17.8
  Top Layer w0.25: v1(41.6,62.1) U4.20
  Bottom Layer w0.25: v1(41.6,62.1) 41.6,61.216 42.041,60.775 43.045,60.775 44.17,61.9 44.9,61.9 45.55,61.25 45.55,57.5 50.71,52.34 J5.12
ESP_IO_18: R5.1 U4.24 | length 45.4
  Top Layer w0.25: v1(43.9,28.6) 44.35,28.6 R5.1 ; v1(44.402,61.248) 44.402,61.342 44.8,61.741 U4.24
  Bottom Layer w0.25: v1(43.9,28.6) 44.775,29.475 44.775,32.475 45.875,33.575 50.25,33.575 51.646,34.971 51.646,36.484 43.1,45.031 43.1,51.34 42.735,51.705 42.735,52.895 42.9,53.06 42.9,59.928 43.745,60.773 43.922,60.773 44.396,61.248 v1(44.402,61.248)
ESP_IO_19: R10.1 U4.25 | length 51.8
  Top Layer w0.25: v1(37.2,63.758) 38.167,64.725 43.975,64.725 44.9,63.8 U4.25
  Bottom Layer w0.25: v1(37.2,63.758) 37.2,63.737 37.5,63.437 37.5,47.275 29.575,39.35 29.575,35.4 31.2,33.775 32.025,33.775 v1(37.3,28.5)
ESP_IO_20: M1.6 U4.26 | length 16.5
  Top Layer w0.25: v1(45.1,64.6) U4.26 ; M1.6 46.35,52.45 48.5,54.6 48.5,61.284 48.238,61.546 v1(48.238,63.427)
  Bottom Layer w0.25: v1(45.1,64.6) 47.021,64.6 47.362,64.259 47.405,64.259 v1(48.238,63.427)
ESP_IO_21: M1.5 U4.27 | length 18.1
  Top Layer w0.25: M1.5 43.81,52.45 46.8,55.44 46.8,60.984 47.6,61.784 47.6,63.673 48.052,64.125 v1(48.052,64.573) ; v1(45.1,65.4) U4.27
  Bottom Layer w0.25: v1(45.1,65.4) 46.857,65.4 47.548,64.709 47.591,64.709 47.661,64.64 47.985,64.64 v1(48.052,64.573)
ESP_IO_22: M1.4 R12.2 U4.28 | length 22.7
  Top Layer w0.25: R12.2 41.27,50.32 M1.4 41.27,52.45 43.341,54.521 43.997,54.521 44.025,54.55 44.896,54.55 46.3,55.954 46.3,61.404 47.15,62.254 47.15,64.734 47.75,65.334 v1(47.807,65.334) ; v1(45.1,66.2) U4.28
  Bottom Layer w0.25: v1(45.1,66.2) 45.15,66.15 47.239,66.15 47.542,65.847 47.542,65.694 47.807,65.429 v1(47.807,65.334)
ESP_IO_23: M1.3 R13.2 U4.29 | length 22.5
  Top Layer w0.25: R13.2 38.73,50.32 M1.3 38.73,52.45 41.28,55 43.264,55 43.292,54.971 43.81,54.971 43.839,55 44.71,55 45.85,56.14 45.85,61.59 46.7,62.44 46.7,66.5 46.275,66.925 45.975,66.925 U4.29
ESP_IO_RX: J5.14 U4.30 | length 22.8
  Top Layer w0.25: U4.30 46.861,67.8 48.95,65.711 48.95,59.314 49.764,58.5 51.509,58.5 52.185,57.824 52.185,50.775 51.21,49.8 J5.14
ESP_IO_TX: J5.13 U4.31 | length 25.7
  Top Layer w0.25: U4.31 46.698,68.6 49.4,65.898 49.4,59.5 49.95,58.95 51.694,58.95 51.799,58.845 51.8,58.845 51.957,58.689 54.111,58.689 54.725,58.075 54.725,51.936 53.614,50.825 53.614,49.914 J5.13
ESP_USB_D_N: U3.1 U4.17 USB1.A7 USB1.B7 | length 16.3
  Top Layer w0.25: USB1.A7 32.191,60.93 32.195,60.926 32.709,60.926 32.975,61.193 ; USB1.B7 32.77,61.93 33,61.7 33,61.218 32.975,61.193 ; v1(34.8,61.018) 34.705,61.018 34.548,61.175 34.075,61.175 U3.1 33.643,61.193 32.975,61.193 ; v1(39.2,62.3) U4.17@39.2,62.8
  Bottom Layer w0.25: v1(34.8,61.018) 34.733,61.085 34.733,61.579 34.494,61.818 34.494,63.754 35.124,64.383 39.27,64.383 39.9,63.754 39.9,63.095 39.2,62.395 v1(39.2,62.3)
ESP_USB_D_P: U3.3 U4.18 USB1.A6 USB1.B6 | length 20.5
  Top Layer w0.25: USB1.A6 30.776,61.43 30.63,61.284 30.63,60.576 30.776,60.43 USB1.B6 31.77,60.405 32.461,60.405 33.141,59.725 33.625,59.725 U3.3 34.075,59.725 34.075,59.703 34.225,59.553 34.369,59.553 v1(34.421,59.605) ; v1(40,62.3) U4.18@40,62.918
  Bottom Layer w0.25: v1(34.421,59.605) 34.421,59.7 33.994,60.127 33.994,61.273 33.994,63.961 34.917,64.883 39.477,64.883 40.4,63.961 40.4,62.888 40.133,62.621 40.133,62.528 40,62.395 v1(40,62.3)
GND: C2.2 C3.2 C4.2 C5.2 C6.2 C7.2 C8.2 C9.2 C10.2 C11.2 C12.2 C13.2 D2.2 D4.1 D5.1 D6.1 J2.2 J3.2 J4.2 J5.15 J5.16 LD1.3 M1.2 pad. Q1.3 Q2.3 R2.2 R3.2 R4.2 R6.2 R11.2 SW1.1 SW2.2 U1.2 U2.2 U2.PAD U3.5 U4.1 U4.2 U4.11 U4.14 U4.36 U4.37 U4.38 U4.39 U4.40 U4.41 U4.42 U4.43 U4.44 U4.45 U4.46 U4.47 U4.48 U4.49 U4.50 U4.51 U4.52 U4.53 USB1.A1 USB1.A12 USB1.B1 USB1.B12 USB1.EXT_SHLD | length 23.4
  Top Layer w0.25: U4.49@38,65.8 40,65.8 42,65.8 U4.49@42,67.8 ; U4.49@38,69.8 38,67.8 U4.49@40,67.8 ; U4.49@40,69.8 U4.49@40,67.8 ; U4.49@42,69.8 U4.49@42,67.8 ; v1(44.8,71.925) U4.36 ; SW2.2@44.975,60.175 45.371,60.571 45.371,62.271 U4.51 ; U4.49@40,67.8 U4.49@42,67.8
  Top Layer w0.5: J2.2 46,36.95 U1.2
  other v1: 34.4,27 35.3,27 36.1,27 41.1,27 42,27 42.9,27 39.8,28.3 46.6,28.3 38.9,31.4 45.7,31.4 38.9,32 45.7,32 52.1,33.5 53,33.5 53.9,33.5 28.9,36 26.6,37.7 32.2,38.5 32.8,38.5 28.5,39.75 29.5,41.75 50.7,42.7 31.5,44.1 33,44.1 54.2,44.4 27,46 29.75,46 36.8,55 47.8,57 38.8,57.4 44.9,57.5 32.557,58.084 38.8,59.5 44.8,59.5 36.875,60.4 32.4,64.4 32.939,65.241 37.1,65.7 42.9,65.7 37.1,69.2 42,70.7 34.6,72.7 30.9,73.3
NetC1_1: C1.1 D2.1 L1.1 U1.6 | length 11.9
  Top Layer w0.5: D2.1 33.859,42.388 34.152,42.095 34.152,41 35.202,39.95 L1.1 ; C1.1 43,40.6 42.85,40.75 42.25,40.75 42,41 43.15,42.15 U1.6
NetC1_2: C1.2 U1.1 | length 2.8
  Top Layer w0.5: C1.2 44.771,38.95 45.05,39.229 U1.1
NetC13_1: C13.1 R7.2 SW1.2 U4.8 | length 24
  Top Layer w0.25: v1(33.2,66.3) 33.25,66.25 34.05,66.25 U4.8 ; R7.2 v1(36.225,56.05) 36.95,56.05 C13.1 37.99,56 38.14,55.85 39.46,55.85 39.85,56.24 39.85,56.35 40.25,56.75 SW1.2@40.25,60.1
  Bottom Layer w0.25: v1(33.2,66.3) 33.2,66.205 33.564,65.841 33.564,64.667 33.544,64.647 33.544,63.388 31.8,61.643 31.8,57.957 32.757,56.999 35.276,56.999 v1(36.225,56.05)
NetQ1_1: Q1.1 R5.2 R6.1 | length 3.2
  Top Layer w0.25: Q1.1 44.25,30.3 R5.2 R6.1
NetQ2_1: Q2.1 R10.2 R11.1 | length 3.2
  Top Layer w0.25: Q2.1 37.5,30.3 R10.2 R11.1
NetR1_1: R1.1 R2.1 U1.3 | length 8.3
  Top Layer w0.25: U1.3 48.988,39.85 50.313,41.175 51.775,41.175 52.75,42.15 R1.1 R2.1
NetR3_1: R3.1 USB1.A5 | length 11.8
  Top Layer w0.25: R3.1 26.25,56.043 25.775,56.518 25.775,59.375 28.83,62.43 USB1.A5
NetR4_1: R4.1 USB1.B5 | length 7.3
  Top Layer w0.25: R4.1 27.75,55.1 28.025,55.375 28.075,55.375 29.1,56.4 29.1,58.85 29.655,59.405 31.72,59.405 USB1.B5
OUT_1: D5.2 J3.1 Q1.2 | length 7
  Top Layer w0.5: J3.1 D5.2 42.75,33.85 Q1.2
OUT_2: D6.2 J4.1 Q2.2 | length 7.1
  Top Layer w0.5: J4.1 34.95,33.4 D6.2 36,33.85 Q2.2
VBUS_ESP: D1.2 USB1.A4 USB1.A9 USB1.B4 USB1.B9 | length 15.7
  Top Layer w0.25: v1(29.855,58.284) v1@29.805,58.334 ; v1(30.5,63.25) 30.567,63.317 30.991,63.317 31.079,63.405 31.095,63.405 31.37,63.68 USB1.A4 ; USB1.A9 31.685,58.94 30.411,58.94 v1@29.805,58.334 ; D1.2 33.468,54.594 31.73,54.594 29.805,56.518 v1@29.805,58.334
  Bottom Layer w0.25: v1(29.855,58.284) 29.855,62.605 v1(30.5,63.25)
VIN: D3.2 D4.2 J2.1 | length 6.3
  Top Layer w0.5: J2.1 49.275,36.725 49.275,38.405 49.482,38.612 52.15,38.612 53,39.462 D4.2
pads on no net: LD1.2 U1.4 U3.4 U3.6 U4.4 U4.7 U4.21 U4.32 U4.33 U4.34 U4.35 USB1. USB1.A8 USB1.B8

## Polygon pours and split planes (outlines as drawn)
GND on Bottom Layer "GND_L04_P001" (solid, pour order 1): 27.5,25 cw(c27.5,27.5) 25,27.5 25,72.5 cw(c27.5,72.5) 27.5,75 52.5,75 cw(c52.5,72.5) 55,72.5 55,27.5 cw(c52.5,27.5) 52.5,25
GND on Top Layer "GND_L01_P000" (solid, pour order 0): 27.5,25 cw(c27.5,27.5) 25,27.5 25,72.5 cw(c27.5,72.5) 27.5,75 52.5,75 cw(c52.5,72.5) 55,72.5 55,27.5 cw(c52.5,27.5) 52.5,25
GND on Int1 (GND) (split plane): 52.697,74.49 52.89,74.461 53.08,74.414 53.263,74.348 53.44,74.264 53.607,74.164 53.764,74.048 53.909,73.917 54.04,73.772 54.156,73.615 54.257,73.448 54.34,73.271 54.406,73.087 54.454,72.898 54.482,72.705 54.491,72.524 54.49,72.508 54.49,27.5 54.491,27.484 54.482,27.305 54.454,27.111 54.406,26.922 54.34,26.738 54.257,26.561 54.156,26.393 54.04,26.236 53.908,26.092 53.764,25.96 53.607,25.844 53.439,25.743 53.262,25.66 53.078,25.594 52.889,25.546 52.695,25.518 52.516,25.509 52.5,25.51 27.54,25.51 27.524,25.509 27.341,25.518 27.144,25.547 26.95,25.596 26.762,25.663 26.582,25.748 26.411,25.851 26.251,25.969 26.103,26.103 25.969,26.251 25.851,26.411 25.748,26.582 25.663,26.762 25.596,26.95 25.547,27.144 25.518,27.341 25.509,27.524 25.51,27.54 25.51,72.508 25.509,72.525 25.518,72.706 25.546,72.899 25.594,73.089 25.659,73.272 25.743,73.449 25.843,73.616 25.959,73.773 26.09,73.917 26.235,74.048 26.392,74.164 26.559,74.265 26.735,74.348 26.919,74.414 27.108,74.461 27.301,74.49 27.478,74.499 27.492,74.497 52.5,74.497 52.516,74.499
+3V3 on Int2 (PWR) (split plane): 52.697,74.49 52.89,74.461 53.08,74.414 53.263,74.348 53.44,74.264 53.607,74.164 53.764,74.048 53.909,73.917 54.04,73.772 54.156,73.615 54.257,73.448 54.34,73.271 54.406,73.087 54.454,72.898 54.482,72.705 54.491,72.524 54.49,72.508 54.49,27.5 54.491,27.484 54.482,27.305 54.454,27.111 54.406,26.922 54.34,26.738 54.257,26.561 54.156,26.393 54.04,26.236 53.908,26.092 53.764,25.96 53.607,25.844 53.439,25.743 53.262,25.66 53.078,25.594 52.889,25.546 52.695,25.518 52.516,25.509 52.5,25.51 27.54,25.51 27.524,25.509 27.341,25.518 27.144,25.547 26.95,25.596 26.762,25.663 26.582,25.748 26.411,25.851 26.251,25.969 26.103,26.103 25.969,26.251 25.851,26.411 25.748,26.582 25.663,26.762 25.596,26.95 25.547,27.144 25.518,27.341 25.509,27.524 25.51,27.54 25.51,72.508 25.509,72.525 25.518,72.706 25.546,72.899 25.594,73.089 25.659,73.272 25.743,73.449 25.843,73.616 25.959,73.773 26.09,73.917 26.235,74.048 26.392,74.164 26.559,74.265 26.735,74.348 26.919,74.414 27.108,74.461 27.301,74.49 27.478,74.499 27.492,74.497 52.5,74.497 52.516,74.499

## Silkscreen, mask and mechanical layers (free items; w line width, h text height)
Top Overlay:
  text "RST" at 37.7,53.866 h2.5
  text "BOOT" at 42.4,53.866 h2.5
Bottom Overlay:
  drawing of 93 lines, arcs and shapes, not listed
  text "Project / ←Docs" at 32.6,51.366 h2.5
  text "GND" at 27.366,34.5 h2.5 r270
  text "+24V DC" at 51.566,33.9 h2.5 r270
  text "GND" at 37.866,29.5 h2.5 r270
  text "GND" at 44.866,29.5 h2.5 r270
  text "OUT 2" at 34.366,28 h2.5 r270
  text "OUT 1" at 41.366,28 h2.5 r270
  text "ToF Proximity Sensor v1.0" at 52.05,24.015 h2.5

## Text inside footprints (layer, text, board x,y; h text height)
U4: Top Overlay "ESP32-C6" at 34.8,76.5 h1; Top Overlay "MINI-1-N4" at 34.8,74.9 h1